# KiCad board nora.kicad_pcb
title: Nora; date: 2022-01-29; rev: DN:0032; company: @jpskenn
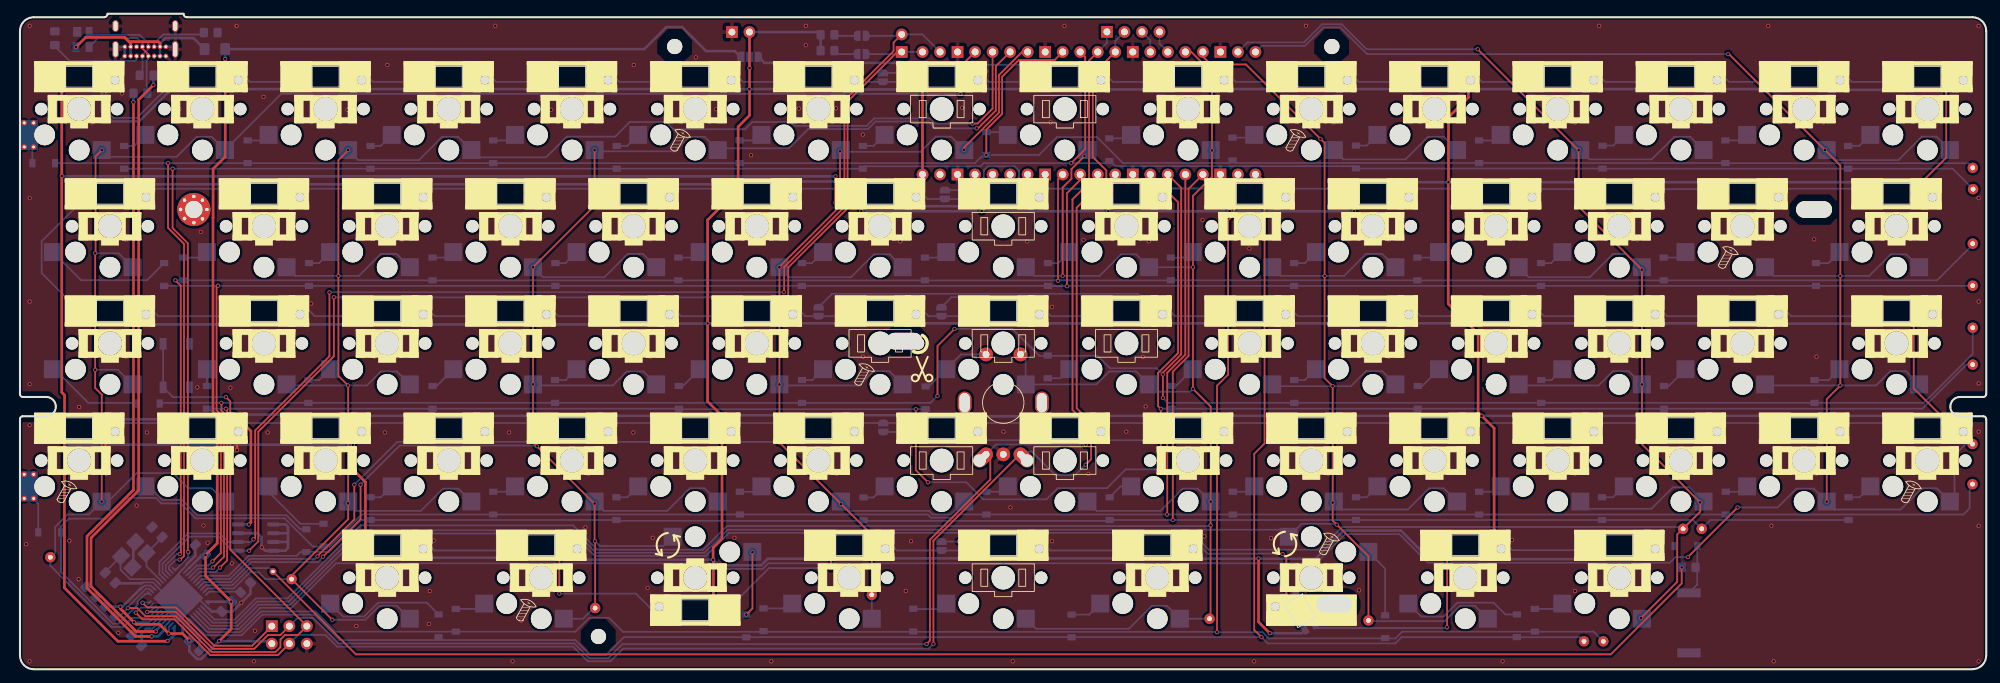
[diagram p0: board, top side]
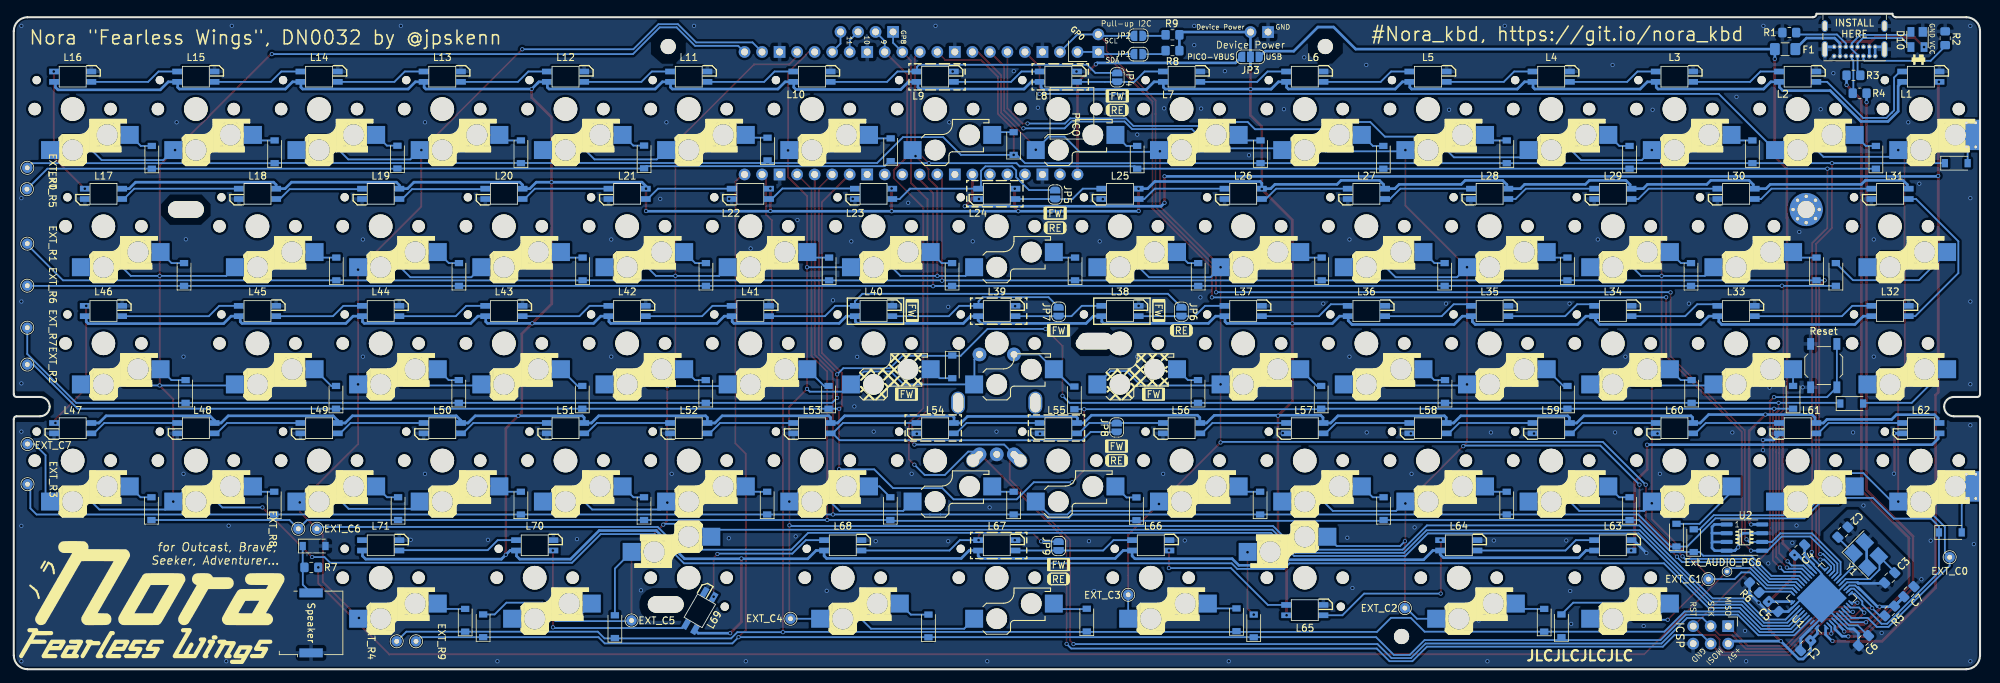
[diagram p1: board, bottom side, seen from below]

Outline 285 x 95.1 mm; copper layers: Top, Bottom. Coordinates in mm from the lower left corner of the outline.
Stack: Top 0.035mm / dielectric 1.51mm FR4 er 4.5 / Bottom 0.035mm

## Placement (name value [footprint] x y rotation side)
C1  10uF  [C_0805_2012Metric_Pad1.18x1.45mm_HandSolder]  25.28 3.43 135 bottom
C2  22pF  [C_0805_2012Metric_Pad1.18x1.45mm_HandSolder]  19.87 19.89 135 bottom
C3  22pF  [C_0805_2012Metric_Pad1.18x1.45mm_HandSolder]  13.09 13.27 315 bottom
C4  0.1uF  [C_0805_2012Metric_Pad1.18x1.45mm_HandSolder]  26.15 17.3 315 bottom
C5  0.1uF  [C_0805_2012Metric_Pad1.18x1.45mm_HandSolder]  29.95 9.1 45 bottom
C6  1uF  [C_0805_2012Metric_Pad1.18x1.45mm_HandSolder]  16.9 4.15 315 bottom
C7  0.1uF  [C_0805_2012Metric_Pad1.18x1.45mm_HandSolder]  10.3 11.25 315 bottom
D1  D_Small  [D_SOD-123-Pretty_No_Reference]  3.44 73.42 180 bottom
D2  D_Small  [D_SOD-123-Pretty_No_Reference]  4.3 19.85 180 bottom
D4  D_Small  [D_SOD-123-Pretty_No_Reference]  15.09 74.27 90 bottom
D5  D_Small  [D_SOD-123-Pretty_No_Reference]  20.89 57.27 90 bottom
D6  D_Small  [D_SOD-123-Pretty_No_Reference]  18.6 38.55 180 bottom
D7  D_Small  [D_SOD-123-Pretty_No_Reference]  41.5 18.65 90 bottom
D9  D_Small  [D_SOD-123-Pretty_No_Reference]  32.99 75.07 90 bottom
D10  PRTR5V0U2X  [SOT-143]  9.07 91.37 270 bottom
D11  D_Small  [D_SOD-123-Pretty_No_Reference]  23.69 58.07 90 bottom
D12  D_Small  [D_SOD-123-Pretty_No_Reference]  27.1 39.45 90 bottom
D13  D_Small  [D_SOD-123-Pretty_No_Reference]  44 19.45 90 bottom
D14  D_Small  [D_SOD-123-Pretty_No_Reference]  63.17 7.1 90 bottom
D15  D_Small  [D_SOD-123-Pretty_No_Reference]  50.8 74.27 90 bottom
D16  D_Small  [D_SOD-123-Pretty_No_Reference]  41.89 57.27 90 bottom
D17  D_Small  [D_SOD-123-Pretty_No_Reference]  41.8 40.3 90 bottom
D18  D_Small  [D_SOD-123-Pretty_No_Reference]  50.8 23.3 90 bottom
D19  D_Small  [D_SOD-123-Pretty_No_Reference]  60.67 6.3 90 bottom
D20  D_Small  [D_SOD-123-Pretty_No_Reference]  68.59 75.07 90 bottom
D21  D_Small  [D_SOD-123-Pretty_No_Reference]  59.8 58.07 90 bottom
D22  D_Small  [D_SOD-123-Pretty_No_Reference]  59.8 39.45 90 bottom
D23  D_Small  [D_SOD-123-Pretty_No_Reference]  68.6 24.1 90 bottom
D25  D_Small  [D_SOD-123-Pretty_No_Reference]  86.49 74.27 90 bottom
D26  D_Small  [D_SOD-123-Pretty_No_Reference]  77.6 57.27 90 bottom
D27  D_Small  [D_SOD-123-Pretty_No_Reference]  77.55 40.3 90 bottom
D28  D_Small  [D_SOD-123-Pretty_No_Reference]  86.45 23.3 90 bottom
D29  D_Small  [D_SOD-123-Pretty_No_Reference]  105.27 6.27 90 bottom
D30  D_Small  [D_SOD-123-Pretty_No_Reference]  104.29 75.07 90 bottom
D31  D_Small  [D_SOD-123-Pretty_No_Reference]  95.43 58.07 90 bottom
D32  D_Small  [D_SOD-123-Pretty_No_Reference]  95.5 39.45 90 bottom
D33  D_Small  [D_SOD-123-Pretty_No_Reference]  104.35 24.1 90 bottom
D35  D_Small  [D_SOD-123-Pretty_No_Reference]  122.17 74.27 90 bottom
D36  D_Small  [D_SOD-123-Pretty_No_Reference]  113.33 57.27 90 bottom
D37  D_Small  [D_SOD-123-Pretty_No_Reference]  113.35 40.3 90 bottom
D38  D_Small  [D_SOD-123-Pretty_No_Reference]  122.27 23.27 90 bottom
D39  D_Small  [D_SOD-123-Pretty_No_Reference]  107.77 7.17 90 bottom
D40  D_Small  [D_SOD-123-Pretty_No_Reference]  140.07 76.27 90 bottom
D41  D_Small  [D_SOD-123-Pretty_No_Reference]  131.17 58.07 90 bottom
D42  D_Small  [D_SOD-123-Pretty_No_Reference]  131.27 39.37 90 bottom
D43  D_Small  [D_SOD-123-Pretty_No_Reference]  140.07 24.1 90 bottom
D44  D_Small  [D_SOD-123-Pretty_No_Reference]  129.47 7.12 90 bottom
D45  D_Small  [D_SOD-123-Pretty_No_Reference]  157.9 75.37 90 bottom
D46  D_Small  [D_SOD-123-Pretty_No_Reference]  149 57.27 90 bottom
D47  D_Small  [D_SOD-123-Pretty_No_Reference]  148.97 43.87 270 bottom
D48  D_Small  [D_SOD-123-Pretty_No_Reference]  157.95 23.3 90 bottom
D49  D_Small  [D_SOD-123-Pretty_No_Reference]  152.42 6.27 90 bottom
D50  D_Small  [D_SOD-123-Pretty_No_Reference]  175.75 75.47 90 bottom
D51  D_Small  [D_SOD-123-Pretty_No_Reference]  166.83 58.07 90 bottom
D52  D_Small  [D_SOD-123-Pretty_No_Reference]  166.9 39.45 90 bottom
D53  D_Small  [D_SOD-123-Pretty_No_Reference]  175.8 24.1 90 bottom
D54  D_Small  [D_SOD-123-Pretty_No_Reference]  197.87 6.17 90 bottom
D55  D_Small  [D_SOD-123-Pretty_No_Reference]  193.64 74.32 90 bottom
D56  D_Small  [D_SOD-123-Pretty_No_Reference]  184.68 57.27 90 bottom
D57  D_Small  [D_SOD-123-Pretty_No_Reference]  184.7 40.3 90 bottom
D58  D_Small  [D_SOD-123-Pretty_No_Reference]  193.65 23.3 90 bottom
D59  D_Small  [D_SOD-123-Pretty_No_Reference]  216.97 6.3 90 bottom
D60  D_Small  [D_SOD-123-Pretty_No_Reference]  211.49 75.07 90 bottom
D61  D_Small  [D_SOD-123-Pretty_No_Reference]  202.55 58.07 90 bottom
D62  D_Small  [D_SOD-123-Pretty_No_Reference]  202.6 39.45 90 bottom
D63  D_Small  [D_SOD-123-Pretty_No_Reference]  211.5 24.1 90 bottom
D64  D_Small  [D_SOD-123-Pretty_No_Reference]  219.57 7.1 90 bottom
D65  D_Small  [D_SOD-123-Pretty_No_Reference]  229.39 74.3 90 bottom
D66  D_Small  [D_SOD-123-Pretty_No_Reference]  220.47 57.27 90 bottom
D67  D_Small  [D_SOD-123-Pretty_No_Reference]  220.5 40.3 90 bottom
D68  D_Small  [D_SOD-123-Pretty_No_Reference]  229.3 23.3 90 bottom
D70  D_Small  [D_SOD-123-Pretty_No_Reference]  247.19 75.07 90 bottom
D71  D_Small  [D_SOD-123-Pretty_No_Reference]  238.25 58.07 90 bottom
D72  D_Small  [D_SOD-123-Pretty_No_Reference]  238.3 39.45 90 bottom
D73  D_Small  [D_SOD-123-Pretty_No_Reference]  247.25 24.1 90 bottom
D75  D_Small  [D_SOD-123-Pretty_No_Reference]  264.99 74.27 90 bottom
D76  D_Small  [D_SOD-123-Pretty_No_Reference]  260.33 57.27 90 bottom
D77  D_Small  [D_SOD-123-Pretty_No_Reference]  260.1 40.3 90 bottom
D78  D_Small  [D_SOD-123-Pretty_No_Reference]  265.05 23.3 90 bottom
D99  D_Small  [D_SOD-123-Pretty_No_Reference]  241.47 17.87 180 bottom
Ext_AUDIO_PC6  Conn_01x01  [TestPoint_THTPad_D1.0mm_Drill0.5mm]  36.67 14.17 0 bottom
EXT_C0  Conn_01x01  [TestPoint_THTPad_D1.5mm_Drill0.7mm]  4.4 16.25 180 bottom
EXT_C1  Conn_01x01  [TestPoint_THTPad_D1.5mm_Drill0.7mm]  39.37 13.07 180 bottom
EXT_C2  Conn_01x01  [TestPoint_THTPad_D1.5mm_Drill0.7mm]  83.37 8.87 180 bottom
EXT_C3  Conn_01x01  [TestPoint_THTPad_D1.5mm_Drill0.7mm]  123.47 10.8 180 bottom
EXT_C4  Conn_01x01  [TestPoint_THTPad_D1.5mm_Drill0.7mm]  172.42 7.32 180 bottom
EXT_C5  Conn_01x01  [TestPoint_THTPad_D1.5mm_Drill0.7mm]  195.46 7.07 180 bottom
EXT_C6  Conn_01x01  [TestPoint_THTPad_D1.5mm_Drill0.7mm]  241.06 20.37 180 bottom
EXT_C7  Conn_01x01  [TestPoint_THTPad_D1.5mm_Drill0.7mm]  283.01 32.67 180 bottom
EXT_R0  Conn_01x01  [TestPoint_THTPad_D1.5mm_Drill0.7mm]  283.05 72.75 90 bottom
EXT_R1  Conn_01x01  [TestPoint_THTPad_D1.5mm_Drill0.7mm]  283.05 61.75 90 bottom
EXT_R2  Conn_01x01  [TestPoint_THTPad_D1.5mm_Drill0.7mm]  283.05 44.2 90 bottom
EXT_R3  Conn_01x01  [TestPoint_THTPad_D1.5mm_Drill0.7mm]  283.01 26.85 90 bottom
EXT_R4  Conn_01x01  [TestPoint_THTPad_D1.5mm_Drill0.7mm]  229.5 4.05 90 bottom
EXT_R5  Conn_01x01  [TestPoint_THTPad_D1.5mm_Drill0.7mm]  283.1 69.65 270 bottom
EXT_R6  Conn_01x01  [TestPoint_THTPad_D1.5mm_Drill0.7mm]  283.05 55.65 270 bottom
EXT_R7  Conn_01x01  [TestPoint_THTPad_D1.5mm_Drill0.7mm]  283.05 49.55 270 bottom
EXT_R8  Conn_01x01  [TestPoint_THTPad_D1.5mm_Drill0.7mm]  243.76 20.37 270 bottom
EXT_R9  Conn_01x01  [TestPoint_THTPad_D1.5mm_Drill0.7mm]  226.7 4.05 270 bottom
F1  500mA  [Fuse_1206_3216Metric_Pad1.42x1.75mm_HandSolder]  28.25 89.97 180 bottom
G***  LOGO  [Nora_logo_FW_H5.4mm]  265.9 3.35 180 bottom
G***#2  LOGO  [Nora_logo_H12.8mm]  263.8 12.4 180 bottom
H1  MountingHole  [MountingHole_2.2mm_M2]  94.9 90.35 0 top
H2  MountingHole  [MountingHole_2.2mm_M2]  190.15 90.35 0 top
H3  MountingHole  [MountingHole_2.2mm_M2]  83.85 4.75 0 top
J1  USB_C_Receptacle_USB2.0  [USB_C_Receptacle_GCT_USB4085]  15.2 88.96 0 bottom
J2  Conn_01x04  [PinHeader_1x04_P2.54mm_Vertical]  157.55 92.47 270 bottom
J3  Conn_01x02  [PinHeader_1x02_P2.54mm_Vertical]  127.8 89.56 0 bottom
J4  Conn_01x02  [PinHeader_1x02_P2.54mm_Vertical]  103.2 92.45 270 bottom
J5  Conn_02x03_Odd_Even  [PinHeader_2x03_P2.54mm_Vertical]  36.5 6.25 270 bottom
JP1  SolderJumper_2_Open  [SolderJumper-2_P1.3mm_Open_RoundedPad1.0x1.5mm]  122 89.25 0 bottom
JP2  SolderJumper_2_Open  [SolderJumper-2_P1.3mm_Open_RoundedPad1.0x1.5mm]  122 91.9 0 bottom
JP3  SolderJumper_3_Open  [SolderJumper-3_P1.3mm_Open_RoundedPad1.0x1.5mm]  105.75 88.85 180 bottom
JP4  SolderJumper_2_Open  [SolderJumper-2_P1.3mm_Open_RoundedPad1.0x1.5mm]  125.06 85.87 90 bottom
JP5  SolderJumper_2_Open  [SolderJumper-2_P1.3mm_Open_RoundedPad1.0x1.5mm]  134.06 68.87 270 bottom
JP6  SolderJumper_2_Open  [SolderJumper-2_P1.3mm_Open_RoundedPad1.0x1.5mm]  115.76 51.87 90 bottom
JP7  SolderJumper_2_Open  [SolderJumper-2_P1.3mm_Open_RoundedPad1.0x1.5mm]  133.56 51.87 90 bottom
JP8  SolderJumper_2_Open  [SolderJumper-2_P1.3mm_Open_RoundedPad1.0x1.5mm]  125.14 35.07 90 bottom
JP9  SolderJumper_2_Open  [SolderJumper-2_P1.3mm_Open_RoundedPad1.0x1.5mm]  133.56 17.87 90 bottom
L1  SK6812MINI-E  [YS-SK6812MINI-E_middle_hole_with_small_pad]  8.58 85.97 0 bottom
L2  SK6812MINI-E  [YS-SK6812MINI-E_middle_hole_with_small_pad]  26.43 85.97 0 bottom
L3  SK6812MINI-E  [YS-SK6812MINI-E_middle_hole_with_small_pad]  44.29 85.97 0 bottom
L4  SK6812MINI-E  [YS-SK6812MINI-E_middle_hole_with_small_pad]  62.15 85.97 0 bottom
L5  SK6812MINI-E  [YS-SK6812MINI-E_middle_hole_with_small_pad]  80.01 85.97 0 bottom
L6  SK6812MINI-E  [YS-SK6812MINI-E_middle_hole_with_small_pad]  97.87 85.97 0 bottom
L7  SK6812MINI-E  [YS-SK6812MINI-E_middle_hole_with_small_pad]  115.73 85.97 0 bottom
L8  SK6812MINI-E  [YS-SK6812MINI-E_middle_hole_with_small_pad_reserved]  133.59 85.97 0 bottom
L9  SK6812MINI-E  [YS-SK6812MINI-E_middle_hole_with_small_pad_reserved]  151.45 85.97 0 bottom
L10  SK6812MINI-E  [YS-SK6812MINI-E_middle_hole_with_small_pad]  169.31 85.97 0 bottom
L11  SK6812MINI-E  [YS-SK6812MINI-E_middle_hole_with_small_pad]  187.17 85.97 0 bottom
L12  SK6812MINI-E  [YS-SK6812MINI-E_middle_hole_with_small_pad]  205.03 85.97 0 bottom
L13  SK6812MINI-E  [YS-SK6812MINI-E_middle_hole_with_small_pad]  222.89 85.97 0 bottom
L14  SK6812MINI-E  [YS-SK6812MINI-E_middle_hole_with_small_pad]  240.75 85.97 0 bottom
L15  SK6812MINI-E  [YS-SK6812MINI-E_middle_hole_with_small_pad]  258.61 85.97 0 bottom
L16  SK6812MINI-E  [YS-SK6812MINI-E_middle_hole_with_small_pad]  276.47 85.97 0 bottom
L17  SK6812MINI-E  [YS-SK6812MINI-E_middle_hole_with_small_pad]  272 68.97 180 bottom
L18  SK6812MINI-E  [YS-SK6812MINI-E_middle_hole_with_small_pad]  249.68 68.97 180 bottom
L19  SK6812MINI-E  [YS-SK6812MINI-E_middle_hole_with_small_pad]  231.82 68.97 180 bottom
L20  SK6812MINI-E  [YS-SK6812MINI-E_middle_hole_with_small_pad]  213.96 68.97 180 bottom
L21  SK6812MINI-E  [YS-SK6812MINI-E_middle_hole_with_small_pad]  196.1 68.97 180 bottom
L22  SK6812MINI-E  [YS-SK6812MINI-E_middle_hole_with_small_pad]  178.24 68.97 180 bottom
L23  SK6812MINI-E  [YS-SK6812MINI-E_middle_hole_with_small_pad]  160.38 68.97 180 bottom
L24  SK6812MINI-E  [YS-SK6812MINI-E_middle_hole_with_small_pad_reserved]  142.52 68.97 180 bottom
L25  SK6812MINI-E  [YS-SK6812MINI-E_middle_hole_with_small_pad]  124.66 68.97 180 bottom
L26  SK6812MINI-E  [YS-SK6812MINI-E_middle_hole_with_small_pad]  106.8 68.97 180 bottom
L27  SK6812MINI-E  [YS-SK6812MINI-E_middle_hole_with_small_pad]  88.94 68.97 180 bottom
L28  SK6812MINI-E  [YS-SK6812MINI-E_middle_hole_with_small_pad]  71.08 68.97 180 bottom
L29  SK6812MINI-E  [YS-SK6812MINI-E_middle_hole_with_small_pad]  53.22 68.97 180 bottom
L30  SK6812MINI-E  [YS-SK6812MINI-E_middle_hole_with_small_pad]  35.36 68.97 180 bottom
L31  SK6812MINI-E  [YS-SK6812MINI-E_middle_hole_with_small_pad]  13.04 68.97 180 bottom
L32  SK6812MINI-E  [YS-SK6812MINI-E_middle_hole_with_small_pad]  13.04 51.97 0 bottom
L33  SK6812MINI-E  [YS-SK6812MINI-E_middle_hole_with_small_pad]  35.36 51.97 0 bottom
L34  SK6812MINI-E  [YS-SK6812MINI-E_middle_hole_with_small_pad]  53.22 51.97 0 bottom
L35  SK6812MINI-E  [YS-SK6812MINI-E_middle_hole_with_small_pad]  71.08 51.97 0 bottom
L36  SK6812MINI-E  [YS-SK6812MINI-E_middle_hole_with_small_pad]  88.94 51.97 0 bottom
L37  SK6812MINI-E  [YS-SK6812MINI-E_middle_hole_with_small_pad]  106.8 51.97 0 bottom
L38  SK6812MINI-E  [YS-SK6812MINI-E_middle_hole_with_small_pad_frame]  124.66 51.97 0 bottom
L39  SK6812MINI-E  [YS-SK6812MINI-E_middle_hole_with_small_pad_reserved]  142.52 51.97 0 bottom
L40  SK6812MINI-E  [YS-SK6812MINI-E_middle_hole_with_small_pad_frame]  160.38 51.97 0 bottom
L41  SK6812MINI-E  [YS-SK6812MINI-E_middle_hole_with_small_pad]  178.24 51.97 0 bottom
L42  SK6812MINI-E  [YS-SK6812MINI-E_middle_hole_with_small_pad]  196.1 51.97 0 bottom
L43  SK6812MINI-E  [YS-SK6812MINI-E_middle_hole_with_small_pad]  213.96 51.97 0 bottom
L44  SK6812MINI-E  [YS-SK6812MINI-E_middle_hole_with_small_pad]  231.82 51.97 0 bottom
L45  SK6812MINI-E  [YS-SK6812MINI-E_middle_hole_with_small_pad]  249.68 51.97 0 bottom
L46  SK6812MINI-E  [YS-SK6812MINI-E_middle_hole_with_small_pad]  272.01 51.97 0 bottom
L47  SK6812MINI-E  [YS-SK6812MINI-E_middle_hole_with_small_pad]  276.47 34.97 180 bottom
L48  SK6812MINI-E  [YS-SK6812MINI-E_middle_hole_with_small_pad]  258.61 34.97 180 bottom
L49  SK6812MINI-E  [YS-SK6812MINI-E_middle_hole_with_small_pad]  240.75 34.97 180 bottom
L50  SK6812MINI-E  [YS-SK6812MINI-E_middle_hole_with_small_pad]  222.89 34.97 180 bottom
L51  SK6812MINI-E  [YS-SK6812MINI-E_middle_hole_with_small_pad]  205.03 34.97 180 bottom
L52  SK6812MINI-E  [YS-SK6812MINI-E_middle_hole_with_small_pad]  187.17 34.97 180 bottom
L53  SK6812MINI-E  [YS-SK6812MINI-E_middle_hole_with_small_pad]  169.31 34.97 180 bottom
L54  SK6812MINI-E  [YS-SK6812MINI-E_middle_hole_with_small_pad_reserved]  151.45 34.97 180 bottom
L55  SK6812MINI-E  [YS-SK6812MINI-E_middle_hole_with_small_pad_reserved]  133.59 34.97 180 bottom
L56  SK6812MINI-E  [YS-SK6812MINI-E_middle_hole_with_small_pad]  115.73 34.97 180 bottom
L57  SK6812MINI-E  [YS-SK6812MINI-E_middle_hole_with_small_pad]  97.87 34.97 180 bottom
L58  SK6812MINI-E  [YS-SK6812MINI-E_middle_hole_with_small_pad]  80.01 34.97 180 bottom
L59  SK6812MINI-E  [YS-SK6812MINI-E_middle_hole_with_small_pad]  62.15 34.97 180 bottom
L60  SK6812MINI-E  [YS-SK6812MINI-E_middle_hole_with_small_pad]  44.29 34.97 180 bottom
L61  SK6812MINI-E  [YS-SK6812MINI-E_middle_hole_with_small_pad]  26.43 34.97 180 bottom
L62  SK6812MINI-E  [YS-SK6812MINI-E_middle_hole_with_small_pad]  8.57 34.97 180 bottom
L63  SK6812MINI-E  [YS-SK6812MINI-E_middle_hole_with_small_pad]  53.23 17.97 0 bottom
L64  SK6812MINI-E  [YS-SK6812MINI-E_middle_hole_with_small_pad]  75.55 17.97 0 bottom
L65  SK6812MINI-E  [YS-SK6812MINI-E_middle_hole_with_small_pad]  97.88 8.57 0 bottom
L66  SK6812MINI-E  [YS-SK6812MINI-E_middle_hole_with_small_pad]  120.2 17.97 0 bottom
L67  SK6812MINI-E  [YS-SK6812MINI-E_middle_hole_with_small_pad_reserved]  142.52 17.97 0 bottom
L68  SK6812MINI-E  [YS-SK6812MINI-E_middle_hole_with_small_pad]  164.84 17.97 0 bottom
L69  SK6812MINI-E  [YS-SK6812MINI-E_middle_hole_with_small_pad]  185.56 8.47 300 bottom
L70  SK6812MINI-E  [YS-SK6812MINI-E_middle_hole_with_small_pad]  209.49 17.97 0 bottom
L71  SK6812MINI-E  [YS-SK6812MINI-E_middle_hole_with_small_pad]  231.82 17.97 0 bottom
LS1  Speaker  [Buzzer_Murata_PKMCS0909E4000-R1]  241.91 6.72 90 bottom
R1  5.1k  [R_0805_2012Metric_Pad1.20x1.40mm_HandSolder]  27.65 92.37 180 bottom
R2  5.1k  [R_0805_2012Metric_Pad1.20x1.40mm_HandSolder]  5.05 91.55 270 bottom
R3  22  [R_0805_2012Metric_Pad1.20x1.40mm_HandSolder]  18.35 86.17 180 bottom
R4  22  [R_0805_2012Metric_Pad1.20x1.40mm_HandSolder]  17.45 83.57 0 bottom
R5  10k  [R_0805_2012Metric_Pad1.20x1.40mm_HandSolder]  13.1 8.45 315 bottom
R6  10k  [R_0805_2012Metric_Pad1.20x1.40mm_HandSolder]  32.7 11.85 225 bottom
R7  1k  [R_0805_2012Metric_Pad1.20x1.40mm_HandSolder]  241.87 14.77 0 bottom
R8  4.7k  [R_0805_2012Metric_Pad1.20x1.40mm_HandSolder]  117.05 89.75 0 bottom
R9  4.7k  [R_0805_2012Metric_Pad1.20x1.40mm_HandSolder]  117.05 92.05 0 bottom
RE_42  RotaryEncoder_Switch  [RotaryEncoder_Alps_EC11E-Switch_Vertical_H20mm]  142.52 38.67 90 top
REF**  60_Outline  [60_Outline-TinyHole_No_Hole3]  142.5 47.3 0 top
REF**#2  -  [ICON_Screw_Medium]  6.68 23.15 0 top
REF**#3  -  [ICON_Scissors_Medium]  130.78 40.73 0 top
REF**#4  -  [ICON_Screw_Medium]  184.8 74.15 0 top
REF**#5  -  [ICON_Screw_Medium]  73.25 5.99 0 top
REF**#6  -  [ICON_Upside-Down_Medium]  93.96 13.98 0 top
REF**#7  -  [ICON_Screw_Medium]  274 23.15 0 top
REF**#8  -  [ICON_Screw_Medium]  122.28 40.17 0 top
REF**#9  -  [ICON_Screw_Medium]  95.6 74.15 0 top
REF**#10  -  [ICON_Screw_Medium]  189.65 15.59 0 top
REF**#11  -  [ICON_Screw_Medium]  247.48 57.15 0 top
REF**#12  -  [ICON_Upside-Down_Medium]  183.41 14.17 0 top
REF**#13  -  [ICON_layout_FW_Medium]  125.16 30.24 180 bottom
REF**#14  -  [ICON_layout_RE_Medium]  115.76 47.04 180 bottom
REF**#15  -  [ICON_layout_FW_Medium]  155.6 37.79 180 bottom
REF**#16  -  [ICON_layout_FW_Medium]  156.91 52.05 270 bottom
REF**#17  -  [ICON_layout_RE_Medium]  125.16 28.17 180 bottom
REF**#18  -  [ICON_layout_RE_Medium]  133.58 10.97 180 bottom
REF**#19  -  [ICON_layout_FW_Medium]  133.56 47.04 180 bottom
REF**#20  -  [ICON_layout_FW_Medium]  119.8 37.79 180 bottom
REF**#21  -  [ICON_layout_FW_Medium]  121.16 52.05 270 bottom
REF**#22  -  [ICON_layout_FW_Medium]  134.06 64.05 180 bottom
REF**#23  -  [ICON_layout_FW_Medium]  125.06 81.05 180 bottom
REF**#24  -  [ICON_layout_RE_Medium]  134.06 61.92 180 bottom
REF**#25  -  [ICON_layout_RE_Medium]  125.06 79 180 bottom
REF**#26  -  [ICON_layout_FW_Medium]  133.56 13.04 180 bottom
ResetSW1  5.2x5.2mm  [SW_SPST_TL3342]  22.65 44.05 90 bottom
SW_1  ESC  [Kailh-PG1350-1u-MBK-WithKeyName-Socket-ForLeftEdge-1.8mm-hole-reflection]  8.58 81.27 0 top
SW_3  LSFT  [Kailh-PG1350-1u-MBK-WithKeyName-Socket-ForLeftEdge-1.8mm-hole-reflection]  8.58 30.27 0 top
SW_5  1  [Kailh-PG1350-1u-MBK-WithKeyName-Socket-1.8mm-hole-reflection]  26.44 81.27 0 top
SW_6  TAB 1.5u  [Kailh-PG1350-1.5u-MBK-WithKeyName-Socket-1.8mm-hole-reflection]  13.04 64.27 0 top
SW_7  LCTL 1.5u  [Kailh-PG1350-1.5u-MBK-WithKeyName-Socket-1.8mm-hole-reflection]  13.04 47.27 0 top
SW_8  Z  [Kailh-PG1350-1u-MBK-WithKeyName-Socket-1.8mm-hole-reflection]  26.44 30.27 0 top
SW_10  2  [Kailh-PG1350-1u-MBK-WithKeyName-Socket-1.8mm-hole-reflection]  44.3 81.27 0 top
SW_11  Q  [Kailh-PG1350-1u-MBK-WithKeyName-Socket-1.8mm-hole-reflection]  35.37 64.27 0 top
SW_12  A  [Kailh-PG1350-1u-MBK-WithKeyName-Socket-1.8mm-hole-reflection]  35.37 47.27 0 top
SW_13  X  [Kailh-PG1350-1u-MBK-WithKeyName-Socket-1.8mm-hole-reflection]  44.3 30.27 0 top
SW_15  3  [Kailh-PG1350-1u-MBK-WithKeyName-Socket-1.8mm-hole-reflection]  62.16 81.27 0 top
SW_16  W  [Kailh-PG1350-1u-MBK-WithKeyName-Socket-1.8mm-hole-reflection]  53.23 64.27 0 top
SW_17  S  [Kailh-PG1350-1u-MBK-WithKeyName-Socket-1.8mm-hole-reflection]  53.23 47.27 0 top
SW_18  C  [Kailh-PG1350-1u-MBK-WithKeyName-Socket-1.8mm-hole-reflection]  62.16 30.27 0 top
SW_19  LGUI 1.5u  [Kailh-PG1350-1.5u-MBK-WithKeyName-Socket-1.8mm-hole-reflection]  53.23 13.27 0 top
SW_20  4  [Kailh-PG1350-1u-MBK-WithKeyName-Socket-1.8mm-hole-reflection]  80.02 81.27 0 top
SW_21  E  [Kailh-PG1350-1u-MBK-WithKeyName-Socket-1.8mm-hole-reflection]  71.09 64.27 0 top
SW_22  D  [Kailh-PG1350-1u-MBK-WithKeyName-Socket-1.8mm-hole-reflection]  71.09 47.27 0 top
SW_23  V  [Kailh-PG1350-1u-MBK-WithKeyName-Socket-1.8mm-hole-reflection]  80.02 30.27 0 top
SW_24  LALT  [Kailh-PG1350-1u-MBK-WithKeyName-Socket-1.8mm-hole-reflection]  75.55 13.27 0 top
SW_25  5  [Kailh-PG1350-1u-MBK-WithKeyName-Socket-1.8mm-hole-reflection]  97.88 81.27 0 top
SW_26  R  [Kailh-PG1350-1u-MBK-WithKeyName-Socket-1.8mm-hole-reflection]  88.95 64.27 0 top
SW_27  F  [Kailh-PG1350-1u-MBK-WithKeyName-Socket-1.8mm-hole-reflection]  88.95 47.27 0 top
SW_28  B  [Kailh-PG1350-1u-MBK-WithKeyName-Socket-1.8mm-hole-reflection]  97.88 30.27 0 top
SW_29  LSPC 1.5u  [Kailh-PG1350-1.5u-MBK-WithKeyName-Socket-1.8mm-hole-reflection]  97.88 13.27 180 top
SW_30  `~  [Kailh-PG1350-1u-MBK-WithKeyName-Socket-1.8mm-hole-reflection]  115.74 81.27 0 top
SW_31  T  [Kailh-PG1350-1u-MBK-WithKeyName-Socket-1.8mm-hole-reflection]  106.81 64.27 0 top
SW_32  G  [Kailh-PG1350-1u-MBK-WithKeyName-Socket-1.8mm-hole-reflection]  106.81 47.27 0 top
SW_33  L-Macro  [Kailh-PG1350-1u-MBK-WithKeyName-Socket-1.8mm-hole-reflection]  115.74 30.27 0 top
SW_35  R1L  [Kailh-PG1350-1u-MBK-WithKeyName-Socket-1.8mm-hole-reflection-frame-only]  133.6 81.27 0 top
SW_36  [{  [Kailh-PG1350-1u-MBK-WithKeyName-Socket-1.8mm-hole-reflection]  124.67 64.27 0 top
SW_37  ;:  [Kailh-PG1350-1u-MBK-WithKeyName-Socket-1.8mm-hole-reflection-cross-paint]  124.67 47.27 0 top
SW_38  R4L  [Kailh-PG1350-1u-MBK-WithKeyName-Socket-1.8mm-hole-reflection-frame-only#3]  133.6 30.27 0 top
SW_39  Center L  [Kailh-PG1350-1u-MBK-WithKeyName-Socket-1.8mm-hole-reflection]  120.2 13.27 0 top
SW_40  R1R  [Kailh-PG1350-1u-MBK-WithKeyName-Socket-1.8mm-hole-reflection-frame-only]  151.45 81.27 0 top
SW_41  R2C  [Kailh-PG1350-1u-MBK-WithKeyName-Socket-1.8mm-hole-reflection-frame-only]  142.52 64.27 0 top
SW_42  R3C  [Kailh-PG1350-1u-MBK-WithKeyName-Socket-1.8mm-hole-reflection-frame-only]  142.52 47.27 0 top
SW_43  R4R  [Kailh-PG1350-1u-MBK-WithKeyName-Socket-1.8mm-hole-reflection-frame-only#2]  151.45 30.27 0 top
SW_44  Center 1.5u  [Kailh-PG1350-1.5u-MBK-WithKeyName-Socket-1.8mm-hole-reflection-frame-only]  142.52 13.27 0 top
SW_45  \|  [Kailh-PG1350-1u-MBK-WithKeyName-Socket-1.8mm-hole-reflection]  169.31 81.27 0 top
SW_46  ]}  [Kailh-PG1350-1u-MBK-WithKeyName-Socket-1.8mm-hole-reflection]  160.38 64.27 0 top
SW_47  '"  [Kailh-PG1350-1u-MBK-WithKeyName-Socket-1.8mm-hole-reflection-cross-paint]  160.38 47.27 0 top
SW_48  R-Macro  [Kailh-PG1350-1u-MBK-WithKeyName-Socket-1.8mm-hole-reflection]  169.31 30.27 0 top
SW_49  Center R  [Kailh-PG1350-1u-MBK-WithKeyName-Socket-1.8mm-hole-reflection]  164.85 13.27 0 top
SW_50  6  [Kailh-PG1350-1u-MBK-WithKeyName-Socket-1.8mm-hole-reflection]  187.17 81.27 0 top
SW_51  Y  [Kailh-PG1350-1u-MBK-WithKeyName-Socket-1.8mm-hole-reflection]  178.24 64.27 0 top
SW_52  H  [Kailh-PG1350-1u-MBK-WithKeyName-Socket-1.8mm-hole-reflection]  178.24 47.27 0 top
SW_53  N  [Kailh-PG1350-1u-MBK-WithKeyName-Socket-1.8mm-hole-reflection]  187.17 30.27 0 top
SW_54  RSPC 1.5u  [Kailh-PG1350-1.5u-MBK-WithKeyName-Socket-1.8mm-hole-reflection]  187.17 13.27 180 top
SW_55  7  [Kailh-PG1350-1u-MBK-WithKeyName-Socket-1.8mm-hole-reflection]  205.03 81.27 0 top
SW_56  U  [Kailh-PG1350-1u-MBK-WithKeyName-Socket-1.8mm-hole-reflection]  196.1 64.27 0 top